# Altium PCB Tango V1.0.PcbDoc (part 3 of 3)
Units mm, origin at the board's own origin, x right, y up, seen from the top; angles counter-clockwise.
Board outline 150.29 x 75.25 mm, 4 copper layers (Top Layer, GND, VCC, Bottom Layer), stack 0.914 mm thick; 182 components, 171 nets, 697 pads, 545 vias.
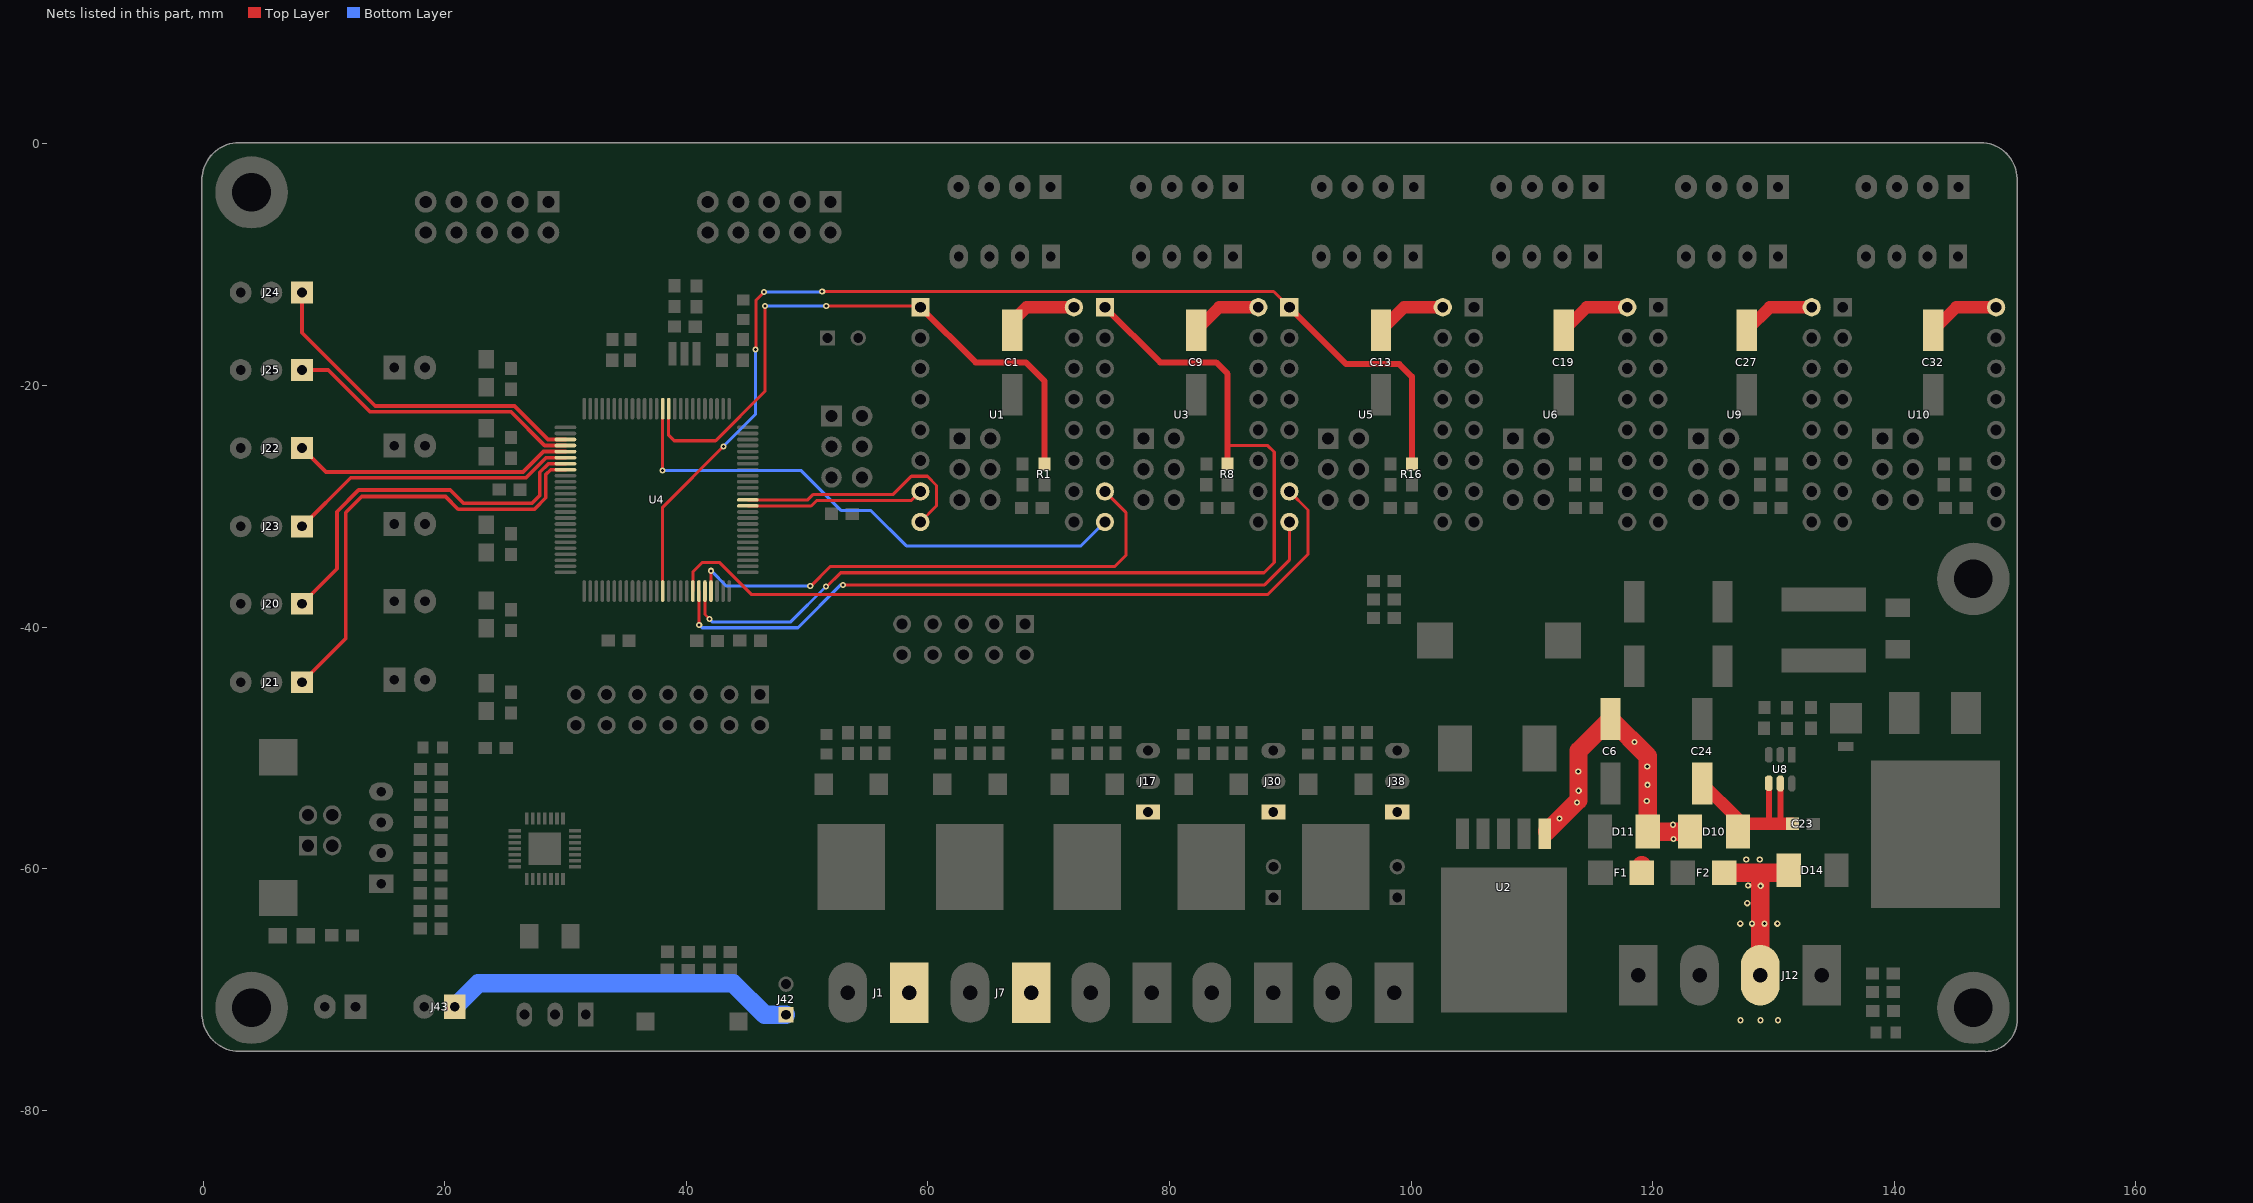
[diagram p5: the nets of this part, all layers, seen from the top]

## Via types
v1: diameter 0.508, hole 0.254, Top Layer to Bottom Layer, 362 vias
v2: diameter 1.016, hole 0.508, Top Layer to Bottom Layer, 180 vias
v3: diameter 0.8, hole 0.4, Top Layer to Bottom Layer, 3 vias

## Nets (pads, with @x,y where several pads share a name; then routed paths per layer and width w, separated by ;. In a path a pad name is that pad's centre, name@x,y a point inside that pad or via, vN(x,y) a via of type N, cw(c..) or ccw(c..) an arc to the next point about the centre after c; other vN are vias at no path point) (continued)
VIN: C23.1 C24.1 D10.2 U8.4 U8.5 | length 16.7
  Top Layer w0.508: U8.4@129.615,-52.914 129.615,-56.253 129.641,-56.279 ; U8.5@130.54,-52.914 U8.5@130.565,-52.939 130.565,-56.27 130.574,-56.279
  Top Layer w1.016: C24.1@124.095,-52.937 127.054,-55.896 D10.2@127.054,-56.922 127.697,-56.279 129.641,-56.279 130.574,-56.279 C23.1@131.57,-56.279
VIN1: C1.1 C6.1 C9.1 C13.1 C19.1 C27.1 C32.1 D10.1 D11.2 F1.1 J1.1 J7.1 J17.1 J30.1 J38.1 J42.1 J43.1 U1.16 U2.1 U3.16 U5.16 U6.16 U9.16 U10.16 | length 91.9
  Top Layer w0.508: C1.1@66.968,-15.423 66.968,-14.699 C1.1@67.491,-14.177
  Top Layer w1.016: C1.1@67.491,-14.177 68.152,-13.515 U1.16@72.074,-13.515 ; C9.1@82.203,-15.423 84.11,-13.515 U3.16@87.346,-13.515 ; C13.1@97.509,-15.423 99.416,-13.515 U5.16@102.617,-13.515 ; C19.1@112.625,-15.423 114.532,-13.515 U6.16@117.889,-13.515 ; C27.1@127.791,-15.423 129.698,-13.515 U9.16@133.16,-13.515 ; C32.1@143.214,-15.423 145.122,-13.515 U10.16@148.432,-13.515
  Top Layer w1.524: U2.1@111.26,-56.909 113.854,-54.314 113.854,-50.249 C6.1@116.5,-47.603 119.587,-50.69 119.587,-51.548 D11.2@119.587,-56.922 ; F1.1@119.103,-60.327 F1.1@119.103,-59.695 ; D11.2@119.603,-56.938 D11.2@119.587,-56.922 ; D10.1@123.092,-56.922 D11.2@119.587,-56.922
  Bottom Layer w1.524: J43.1@20.83,-71.422 22.763,-69.489 43.881,-69.489 46.488,-72.096 J42.1@48.246,-72.096
  other v1: 121.705,-57.533 121.691,-56.358 112.285,-55.854 113.736,-54.521 119.505,-54.39 113.87,-53.543 119.573,-53.052 113.835,-51.954 119.546,-51.548 118.481,-49.515
VIN2: D14.2 F2.1 J12.2 | length 14
  Top Layer w1.524: F2.1@125.927,-60.327 129.028,-60.327 ; J12.2@128.906,-68.82 128.906,-61.415 128.906,-60.449 129.028,-60.327 ; D14.2@131.258,-60.124 131.055,-60.327 129.028,-60.327
  other v1: 127.267,-72.544 128.918,-72.544 130.383,-72.544 127.246,-64.552 128.219,-64.552 129.247,-64.552 130.312,-64.552 127.826,-62.854 127.905,-61.399 128.94,-61.415 127.744,-59.244 128.861,-59.229
X-DIR: U1.8 U4.13 | length 20.3
  Top Layer w0.254: U4.13@45.084,-29.465 50.044,-29.465 50.505,-29.003 57.124,-29.003 58.621,-27.506 59.952,-27.506 60.711,-28.266 60.711,-29.958 U1.8@59.374,-31.295
X-EN: R1.2 U1.1 U4.36 | length 51.8
  Top Layer w0.254: U4.36@38.534,-21.915 38.534,-24.117 38.986,-24.569 42.424,-24.569 46.495,-20.498 v1(46.495,-13.4) ; v1(51.577,-13.404) 59.192,-13.404 59.225,-13.437 59.26,-13.402 U1.1@59.374,-13.515
  Top Layer w0.508: U1.1@59.374,-13.515 63.934,-18.075 68.101,-18.075 69.642,-19.616 R1.2@69.642,-26.485
  Bottom Layer w0.254: v1(46.495,-13.4) 51.574,-13.4 v1(51.577,-13.404)
X-MAX: J25.1 U4.54 | length 24.4
  Top Layer w0.305: J25.1@8.181,-18.709 10.342,-18.709 13.811,-22.178 25.473,-22.178 28.26,-24.965 U4.54@29.984,-24.965
X-MIN: J24.1 U4.53 | length 28.8
  Top Layer w0.305: J24.1@8.181,-12.293 8.181,-15.637 14.239,-21.695 25.775,-21.695 28.545,-24.465 U4.53@29.984,-24.465
X-STEP: U1.7 U4.12 | length 14.8
  Top Layer w0.254: U4.12@45.084,-29.965 50.331,-29.965 50.785,-29.511 58.618,-29.511 U1.7@59.374,-28.755
Y-DIR: U3.8 U4.37 | length 45.1
  Top Layer w0.254: v1(38.034,-27.043) U4.37@38.034,-21.915
  Bottom Layer w0.254: v1(38.034,-27.043) 49.515,-27.043 52.824,-30.352 55.288,-30.352 58.207,-33.271 72.669,-33.271 U3.8@74.646,-31.295
Y-EN: R8.2 U3.1 U4.96 | length 84.5
  Top Layer w0.254: U4.96@41.534,-37.015 41.534,-38.953 v1(41.907,-39.327) ; v1(51.551,-36.641) 51.62,-36.641 52.765,-35.495 87.813,-35.495 88.667,-34.642 88.667,-25.505 88.135,-24.973 84.85,-24.973 84.809,-24.932
  Top Layer w0.508: U3.1@74.646,-13.515 79.212,-18.082 83.855,-18.082 84.809,-19.036 84.809,-24.932 R8.2@84.809,-26.485
  Bottom Layer w0.254: v1(41.907,-39.327) 42.169,-39.588 48.603,-39.588 v1(51.551,-36.641)
Y-MAX: J23.1 U4.56 | length 24.2
  Top Layer w0.305: J23.1@8.181,-31.658 12.201,-27.637 26.724,-27.637 28.397,-25.965 U4.56@29.984,-25.965
Y-MIN: J22.1 U4.55 | length 23.3
  Top Layer w0.305: J22.1@8.181,-25.175 10.156,-27.15 26.474,-27.15 28.159,-25.465 U4.55@29.984,-25.465
Y-STEP: U3.7 U4.97 | length 43.6
  Top Layer w0.254: U4.97@42.034,-37.015 42.034,-35.349 v1(42.048,-35.335) ; v1(50.254,-36.608) 50.288,-36.608 51.929,-34.967 75.477,-34.967 76.382,-34.063 76.382,-30.491 U3.7@74.646,-28.755
  Bottom Layer w0.254: v1(42.048,-35.335) 43.32,-36.608 v1(50.254,-36.608)
Z-DIR: U4.95 U5.8 | length 57.2
  Top Layer w0.254: U4.95@41.034,-37.015 41.034,-39.799 v1(41.058,-39.822) ; v1(52.963,-36.501) 87.875,-36.501 89.917,-34.459 U5.8@89.917,-31.295
  Bottom Layer w0.254: v1(41.058,-39.822) 41.284,-40.049 49.236,-40.049 52.784,-36.501 v1(52.963,-36.501)
Z-EN: R16.2 U4.89 U5.1 | length 92
  Top Layer w0.254: U4.89@38.034,-37.015 38.034,-30.068 v1(43.062,-25.04) ; v1(45.734,-17.004) 45.774,-16.964 45.774,-12.91 v1(46.436,-12.248) ; v1(51.241,-12.218) 88.62,-12.218 U5.1@89.917,-13.515
  Top Layer w0.508: U5.1@89.917,-13.515 94.624,-18.222 99.032,-18.222 100.069,-19.26 R16.2@100.069,-26.485
  Bottom Layer w0.254: v1(43.062,-25.04) 45.724,-22.379 45.724,-17.004 v1(45.734,-17.004) ; v1(46.436,-12.248) 51.212,-12.248 v1(51.241,-12.218)
Z-MAX: J21.1 U4.58 | length 37.2
  Top Layer w0.305: J21.1@8.181,-44.554 11.788,-40.947 11.788,-30.519 13.117,-29.19 20.053,-29.19 21.099,-30.236 27.419,-30.236 28.359,-29.296 28.359,-27.368 28.762,-26.965 U4.58@29.984,-26.965
Z-MIN: J20.1 U4.57 | length 31.4
  Top Layer w0.305: J20.1@8.181,-38.063 11.071,-35.172 11.071,-30.442 12.862,-28.651 20.453,-28.651 21.552,-29.75 27.222,-29.75 27.868,-29.104 27.868,-27.176 28.579,-26.465 U4.57@29.984,-26.465
Z-STEP: U4.94 U5.7 | length 61.2
  Top Layer w0.254: U4.94@40.534,-37.015 40.534,-35.427 41.328,-34.634 42.723,-34.634 45.369,-37.28 88.153,-37.28 91.464,-33.968 91.464,-30.303 U5.7@89.917,-28.755
pads on no net: J27.8 J39.0 U4.8 U4.9 U4.14 U4.23 U4.27 U4.28 U4.29 U4.47 U4.48 U4.49 U4.65 U4.66 U4.67 U4.68 U4.69 U4.79 U7.0@24.941,-56.817 U7.1 U7.2 U7.9 U7.10 U7.11 U7.12 U7.13 U7.14 U7.15 U7.16 U7.17 U7.18 U7.19 U7.20 U7.21 U7.22 U7.23 U7.24 U7.27

## Polygon pours and split planes (outlines as drawn)
GND on Top Layer " TOP  Layer-GND" (hatched 45Degree grid 0.203 track 0.203, remove dead copper, pour order 2): -0.716,0.232 -0.177,-0.306 151.005,-0.306 151.678,-0.979 151.678,-75.157 151.544,-75.023 -0.178,-75.023
GND on Bottom Layer "BOTTOM Layer-GND" (hatched 45Degree grid 0.33 track 0.203, remove dead copper, pour order 4): 0.107,-0.001 0.309,0.201 150.104,0.201 150.913,-0.608 150.913,-74.848 150.462,-75.299 -0.537,-75.299
GND on GND (split plane): 148.987,-73.557 148.987,-73.55 148.993,-73.55
GND on GND (split plane): 147.653,-0.673 148.494,-0.951 148.969,-1.426 149.299,-2.018 149.38,-2.489 149.359,-32.674 142.689,-32.674 142.689,-39.572 149.354,-39.572 149.334,-67.999 148.26,-67.999 148.26,-67.997 142.83,-67.997 142.83,-74.338 7.213,-74.352 7.213,-72.315 7.213,-67.738 0.672,-67.738 0.672,-7.286 2.027,-7.286 2.027,-7.289 7.416,-7.289 7.416,-0.618
NetJ38_2 on VCC (split plane): 102.398,-51.491 102.394,-71.657 102.394,-71.658 102.394,-72.907 95.838,-72.907 95.838,-65.385 97.101,-65.385 97.151,-65.376 97.193,-65.347 97.207,-65.326 97.228,-65.312 97.256,-65.27 97.266,-65.221 97.266,-61.318 97.267,-61.311 97.267,-61.152 101.012,-61.152 101.062,-61.143 101.104,-61.115 101.132,-61.073 101.141,-61.023 101.141,-53.904 101.132,-53.854 101.104,-53.812 101.062,-53.784 101.012,-53.774 97.187,-53.774 97.187,-51.38 102.398,-51.38
NetJ40_2 on VCC (split plane): 97.008,-61.305 97.007,-61.312 97.007,-65.126 95.755,-65.126 95.705,-65.136 95.663,-65.164 95.617,-65.211 95.589,-65.253 95.579,-65.302 95.579,-72.91 90.679,-72.91 90.679,-65.165 90.679,-55.657 97.008,-55.657
NetJ31_2 on VCC (split plane): 85.563,-72.877 80.793,-72.877 80.793,-67.474 80.783,-67.426 80.783,-67.049 80.264,-67.049 80.264,-62.941 80.264,-55.927 85.563,-55.927
NetJ30_2 on VCC (split plane): 90.42,-65.165 90.42,-72.91 85.822,-72.91 85.822,-60.994 90.42,-60.994
NetJ12_1 on VCC (split plane): 149.374,-67.804 142.954,-67.804 142.954,-73.424 142.954,-74.357 131.535,-74.357 131.535,-58.397 131.538,-58.392 131.548,-58.342 131.548,-57.477 131.538,-57.428 131.535,-57.423 131.535,-56.259 131.56,-56.234 135.538,-52.498 135.538,-52.497 135.539,-52.497 138.272,-49.871 149.389,-49.871
VIN2 on VCC (split plane): 131.276,-74.357 126.494,-74.356 126.494,-57.581 131.276,-57.581
NetF1_2 on VCC (split plane): 126.235,-74.356 120.773,-74.356 120.773,-72.194 120.843,-72.194 120.843,-65.827 120.65,-65.827 120.644,-65.826 113.133,-65.826 113.133,-58.503 126.235,-58.503
5V-DCDC on VCC (split plane): 128.101,-35.02 128.111,-35.069 128.139,-35.111 130.16,-37.132 130.16,-41.637 129.165,-42.632 125.853,-42.632 120.381,-37.159 120.339,-37.131 120.289,-37.121 57.857,-37.121 57.807,-37.131 57.765,-37.159 56.473,-38.451 56.445,-38.493 56.435,-38.543 56.435,-41.856 56.435,-45.86 55.077,-45.86 55.027,-45.87 54.985,-45.898 48.876,-52.008 36.972,-52.008 36.972,-49.294 44.807,-49.294 45.53,-50.017 45.572,-50.045 45.622,-50.055 48.699,-50.055 48.749,-50.045 48.791,-50.017 48.819,-49.975 48.829,-49.925 48.829,-35.306 56.4,-27.734 56.428,-27.692 56.438,-27.643 56.438,-23.06 128.101,-23.06
NetJ18_2 on VCC (split plane): 75.714,-56.001 75.714,-69.084 75.714,-72.722 75.562,-72.874 71.382,-72.874 71.382,-65.532 71.372,-65.483 71.344,-65.441 71.296,-65.393 71.254,-65.365 71.205,-65.355 69.887,-65.355 69.887,-55.88 75.593,-55.88
NetJ1_2 on VCC (split plane): 57.259,-65.341 55.797,-65.341 55.796,-65.34 55.747,-65.35 55.705,-65.378 55.677,-65.42 55.667,-65.47 55.667,-73.004 50.038,-73.004 50.038,-57.103 51.726,-55.415 57.259,-55.415
+5V on VCC (split plane): 148.402,-0.892 148.9,-1.286 149.297,-1.87 149.428,-2.341 149.424,-7.733 101.361,-7.743 101.361,-7.736 91.38,-7.736 91.38,-7.746 68.981,-7.751 68.957,-7.756 68.947,-7.757 61.085,-7.757 61.085,-10.524 68.83,-10.524 68.729,-22.801 56.308,-22.801 56.259,-22.811 56.217,-22.839 56.189,-22.881 56.179,-22.93 56.179,-27.589 48.651,-35.117 48.65,-35.117 48.608,-35.145 48.58,-35.187 48.57,-35.237 48.57,-49.796 45.675,-49.796 44.953,-49.073 44.911,-49.045 44.861,-49.035 36.842,-49.035 36.793,-49.045 36.751,-49.073 36.723,-49.115 36.713,-49.164 36.713,-52.137 36.723,-52.187 36.751,-52.229 36.793,-52.257 36.842,-52.267 48.929,-52.267 48.979,-52.257 49.021,-52.229 55.13,-46.119 56.502,-46.119 56.551,-46.109 56.593,-46.081 56.656,-46.018 56.684,-45.976 56.694,-45.927 56.694,-41.856 56.694,-38.597 57.911,-37.38 73.535,-37.38 73.535,-42.905 65.731,-50.709 58.991,-50.709 58.942,-50.718 58.9,-50.747 55.716,-53.931 55.687,-53.973 55.678,-54.022 55.678,-55.156 51.672,-55.156 51.623,-55.166 51.581,-55.194 49.817,-56.958 49.789,-57 49.779,-57.049 49.779,-65.438 46.019,-65.438 45.97,-65.448 45.928,-65.476 45.042,-66.362 45.014,-66.404 45.004,-66.453 45.004,-74.353 7.262,-74.352 7.262,-72.35 7.262,-67.752 0.658,-67.752 0.658,-7.257 7.373,-7.257 7.373,-0.705 147.676,-0.675
VIN1 on VCC (split plane): 149.403,-32.547 143.044,-32.547 143.044,-39.906 149.397,-39.906 149.389,-49.612 138.22,-49.612 138.196,-49.617 138.173,-49.621 138.172,-49.622 138.17,-49.622 138.15,-49.636 138.13,-49.648 135.36,-52.309 131.381,-56.047 131.38,-56.049 131.378,-56.05 131.314,-56.114 131.286,-56.156 131.276,-56.205 131.276,-57.322 126.364,-57.322 126.315,-57.332 126.273,-57.36 126.245,-57.402 126.235,-57.451 126.235,-58.244 113.069,-58.244 113.02,-58.254 112.978,-58.282 112.943,-58.317 112.912,-58.348 112.884,-58.39 112.874,-58.439 112.874,-65.971 112.884,-66.02 112.912,-66.062 112.954,-66.09 113.004,-66.1 113.053,-66.09 113.062,-66.085 116.513,-66.085 116.513,-72.194 120.514,-72.194 120.514,-74.356 45.263,-74.353 45.263,-66.507 46.073,-65.697 49.779,-65.697 49.779,-73.133 49.789,-73.183 49.817,-73.225 49.859,-73.253 49.909,-73.263 55.796,-73.263 55.846,-73.253 55.888,-73.225 55.916,-73.183 55.926,-73.133 55.926,-65.6 57.347,-65.6 57.397,-65.59 57.439,-65.562 57.48,-65.52 57.508,-65.478 57.518,-65.429 57.518,-55.286 57.518,-55.285 57.508,-55.236 57.48,-55.194 57.438,-55.166 57.388,-55.156 55.937,-55.156 55.937,-54.076 59.045,-50.968 65.784,-50.968 65.834,-50.958 65.876,-50.93 73.756,-43.05 73.784,-43.008 73.794,-42.959 73.794,-37.389 73.799,-37.38 120.235,-37.38 125.686,-42.831 125.701,-42.853 125.743,-42.881 125.792,-42.891 129.219,-42.891 129.268,-42.881 129.311,-42.853 130.381,-41.783 130.409,-41.741 130.419,-41.691 130.419,-37.078 130.409,-37.029 130.381,-36.987 128.36,-34.966 128.36,-22.94 128.351,-22.89 128.322,-22.848 128.313,-22.839 128.271,-22.811 128.221,-22.801 68.988,-22.801 69.089,-10.524 71.362,-10.524 71.362,-8.009 76.446,-8.008 76.446,-10.524 86.441,-10.524 86.441,-8.006 91.38,-8.005 91.38,-10.587 101.361,-10.587 101.361,-8.002 106.27,-8.001 106.27,-10.502 116.242,-10.502 116.242,-7.999 121.549,-7.998 121.549,-10.604 131.516,-10.604 131.516,-7.996 136.505,-7.995 136.505,-10.566 146.649,-10.566 146.649,-7.992 149.423,-7.992
NetJ7_2 on VCC (split plane): 66.727,-65.312 65.581,-65.312 65.531,-65.322 65.489,-65.35 65.471,-65.369 65.443,-65.411 65.433,-65.46 65.433,-67.89 65.423,-67.938 65.423,-73.025 61.494,-73.025 61.48,-73.011 61.48,-65.544 61.471,-65.495 61.442,-65.453 61.353,-65.363 61.311,-65.335 61.261,-65.325 60.415,-65.325 60.415,-63.156 60.406,-63.107 60.382,-63.071 60.382,-55.942 60.429,-55.895 66.727,-55.895

## Keep-outs
Keep-Out Layer:
  lines w0.254: 0.021,-72.232 0.021,-2.731 ; 0.022,-2.987 cw(c2.984,-2.972) 2.969,-0.01 ; 0.034,-72.043 ccw(c2.996,-72.028) 3.011,-74.99 ; 2.73,-0.022 147.148,-0.022 ; 2.787,-74.999 147.713,-74.999 ; 147.133,-0.022 cw(c147.148,-2.912) 150.038,-2.897 ; 147.543,-75.006 ccw(c147.529,-72.481) 150.055,-72.468 150.05,-2.912

## Other copper
Top Layer:
  rectangle net NetJ40_2: 99.367,-59.932 99.97,-57.751
  rectangle net NetJ40_2: 97.606,-60.76 99.479,-57.744
  rectangle net NetJ31_2: 87.668,-60.625 89.783,-57.801
  rectangle net NetF1_2: 113.419,-65.58 114.1,-59.007
  rectangle net NetF1_2: 123.154,-63.084 124.52,-58.755
  rectangle net VIN1: 119.149,-58.325 124.532,-55.471
  rectangle net VIN1: 118.473,-56.217 119.65,-50.261
  rectangle net NetJ12_1: 131.507,-73.527 135.725,-72.317
  rectangle net GND: 110.923,-73.55 120.732,-65.918
  rectangle net NetF1_2: 120.577,-59.332 123.971,-58.753
  rectangle net VIN2: 124.858,-62.499 127.936,-60.918
  rectangle net VIN2: 126.56,-73.532 131.186,-60.968
  rectangle net VIN2: 124.858,-61.663 132.913,-58.756
  rectangle net NetF1_2: 120.574,-63.116 123.067,-59.005
  rectangle net VIN1: 117.452,-61.526 120.177,-55.381
  rectangle net NetF1_2: 114.099,-65.576 122.247,-61.985
  rectangle net NetF1_2: 114.1,-64.845 116.953,-59.007
  rectangle net NetF1_2: 121.077,-73.543 126.245,-62.735
  rectangle net NetF1_2: 121.138,-64.211 123.974,-59.118
  rectangle net VIN1: 66.185,-73.318 70.671,-66.732
  rectangle net VIN1: 56.195,-73.299 60.546,-66.718
  rectangle net NetJ30_2: 86.362,-73.311 90.626,-66.861
  rectangle net NetJ30_2: 87.09,-73.054 89.728,-61.323
  rectangle net NetJ18_2: 68.34,-66.187 75.966,-55.395
  rectangle net +12V: 76.926,-51.107 79.43,-49.327
  rectangle net NetJ17_2: 77.047,-53.591 79.596,-52.052
  rectangle net VIN1: 77.059,-56.196 79.485,-54.488
  rectangle net VIN1: 87.241,-56.774 89.865,-54.43
  rectangle net NetJ30_2: 87.217,-53.532 89.865,-52.025
  rectangle net +12V: 87.2,-51.062 89.776,-49.28
  rectangle net VIN1: 97.56,-56.762 100.159,-54.379
  rectangle net +12V: 97.546,-51.068 100.494,-49.331
  rectangle net NetJ38_2: 97.528,-53.753 100.514,-51.942
  rectangle net NetJ38_2: 96.426,-73.288 99.877,-67.108
  rectangle net NetJ38_2: 97.433,-73.299 100.889,-61.358
  rectangle net NetJ17_2: 76.853,-67.202 79.352,-57.255
  rectangle net NetJ17_2: 76.331,-73.311 80.628,-66.563
  rectangle net NetJ40_2: 90.343,-66.42 96.94,-55.275
  rectangle net NetJ31_2: 80.119,-66.073 86.628,-55.362
  rectangle net NetJ7_2: 59.236,-66.281 67.655,-55.414
  rectangle net NetJ1_2: 49.835,-66.213 58.285,-55.439
  rectangle net NetJ40_2: 91.109,-73.299 95.845,-63.128
  rectangle net NetJ31_2: 81.178,-73.311 85.796,-62.948
  rectangle net NetJ18_2: 71.23,-73.315 75.596,-62.928
  rectangle net NetJ7_2: 61.282,-73.296 65.675,-62.896
  rectangle net NetJ1_2: 50.86,-73.279 55.556,-63.312
  rectangle net NetQ3_G: 146.05,-48.846 149.025,-45.352
  rectangle net NetJ12_1: 131.51,-67.641 149.3,-62.24
  rectangle net NetJ12_1: 131.507,-72.317 136.82,-62.748
  rectangle net NetJ12_1: 137.415,-67.03 149.314,-50.879
  rectangle net GND: 102.458,-74.423 112.886,-71.881
  rectangle net GND: 138.143,-49.056 143.519,-44.272
  rectangle net GND: 92.601,-53.761 95.001,-51.514
  rectangle net GND: 92.128,-54.967 93.947,-52.122
  rectangle net GND: 82.44,-53.691 84.571,-51.342
  rectangle net GND: 81.881,-55.056 83.51,-52.118
  rectangle net GND: 67.717,-55.079 74.352,-51.427
  rectangle net GND: 57.06,-55.12 64.615,-51.38
  rectangle net GND: 48.353,-55.152 54.875,-51.389
  rectangle net GND: 10.118,-73.504 10.828,-69.364
  rectangle net GND: 18.336,-73.646 19.046,-69.506
Bottom Layer:
  rectangle net GND: 102.352,-61.847 102.89,-61.319
  rectangle net GND: 102.072,-62.486 102.92,-61.692
  rectangle net GND: 101.605,-62.586 102.739,-62.159
  rectangle net GND: 101.269,-74.441 103.158,-62.495
  rectangle net GND: 111.231,-59.8 113.054,-56.537
  rectangle net GND: 102.626,-60.044 111.65,-50.656
  rectangle net GND: 137.341,-48.722 145.391,-43.919
  rectangle net GND: 114.219,-74.465 120.804,-65.783
  rectangle net GND: 102.56,-74.465 112.978,-59.691
  rectangle net GND: 26.111,-60.621 30.778,-55.9
  rectangle net VIN2: 126.67,-73.516 130.894,-58.508
  rectangle net NetF1_2: 121.067,-73.536 126.246,-65.153
  rectangle net NetF1_2: 123.684,-65.474 126.252,-62.726
  rectangle net NetF1_2: 114.233,-65.468 126.276,-58.513
  rectangle net NetJ40_2: 95.305,-60.772 99.792,-57.76
  rectangle net NetJ31_2: 87.663,-60.524 89.789,-57.773
  rectangle net NetJ18_2: 74.283,-65.415 75.6,-61.346
  rectangle net VIN1: 66.225,-73.322 70.683,-66.742
  rectangle net VIN1: 56.231,-73.298 60.558,-66.754
  rectangle net NetJ31_2: 84.829,-66.16 86.597,-62.463
  rectangle net NetJ31_2: 80.103,-66.124 85.127,-55.347
  rectangle net NetJ18_2: 68.425,-66.219 74.628,-55.39
  rectangle net VIN1: 77.037,-56.2 79.485,-54.471
  rectangle net +12V: 76.909,-51.126 79.452,-49.312
  rectangle net +12V: 87.233,-51.037 89.743,-49.296
  rectangle net VIN1: 87.239,-56.208 89.876,-54.417
  rectangle net VIN1: 97.547,-56.341 100.172,-54.355
  rectangle net +12V: 97.553,-51.059 100.468,-49.329
  rectangle net NetJ38_2: 97.52,-53.624 100.444,-52.001
  rectangle net NetJ38_2: 96.391,-73.276 100.908,-67.054
  rectangle net NetJ38_2: 97.411,-73.241 100.862,-61.37
  rectangle net NetJ17_2: 77.024,-53.625 79.638,-52.015
  rectangle net NetJ30_2: 87.21,-53.521 89.86,-52.008
  rectangle net NetJ30_2: 86.385,-73.278 90.606,-66.812
  rectangle net NetJ30_2: 87.089,-73.269 89.755,-61.351
  rectangle net NetJ17_2: 76.394,-67.685 79.57,-56.705
  rectangle net NetJ17_2: 76.373,-73.308 80.596,-66.563
  rectangle net NetJ1_2: 50.877,-73.271 55.602,-64.356
  rectangle net NetJ1_2: 49.821,-66.227 58.285,-55.439
  rectangle net NetJ7_2: 61.212,-73.3 65.746,-64.778
  rectangle net NetJ7_2: 59.24,-66.127 67.539,-55.411
  rectangle net NetJ18_2: 71.175,-73.318 75.622,-64.928
  rectangle net NetJ40_2: 91.183,-73.267 95.827,-65.469
  rectangle net NetJ31_2: 81.154,-73.288 85.774,-64.85
  rectangle net NetJ40_2: 90.556,-66.402 96.881,-55.316
  rectangle net NetJ12_1: 132.024,-73.173 137.729,-67.61
  rectangle net NetJ12_1: 132.027,-67.62 139.973,-60.195
  rectangle net NetJ12_1: 137.426,-67.633 149.336,-50.868
  rectangle net NetQ3_G: 147.777,-47.88 148.911,-46.326
  rectangle net GND: 90.154,-55.044 97.046,-51.582
  rectangle net GND: 79.949,-55.069 85.037,-51.577
  rectangle net GND: 50.886,-55.087 74.487,-51.633
  rectangle net GND: 48.829,-55.137 51.254,-53.867
  rectangle net GND: 10.307,-73.756 10.896,-69.165
  rectangle net GND: 18.596,-73.71 19.185,-69.118
GND (plane layer: these items are gaps in the copper):
  rectangle: 0.762,-73.418 1.399,-72.541
  rectangle: 1.216,-73.943 2.148,-72.594
  rectangle: 1.827,-74.425 2.988,-72.359
  rectangle: 1.795,-72.717 1.853,-72.573
  rectangle: 1.548,-72.807 3.327,-72.423
  rectangle: 0.601,-72.807 3.327,-71.823
  rectangle: 2.759,-74.573 7.213,-72.315
  rectangle: 0.463,-72.315 7.213,-67.738
  rectangle: 1.702,-1.385 2.502,-0.762
  rectangle: 1.304,-1.514 2.305,-1.015
  rectangle: 0.982,-2.684 2.406,-1.357
  rectangle: 0.766,-2.684 2.406,-1.719
  rectangle: 0.576,-7.286 2.943,-2.469
  rectangle: 2.027,-7.289 7.416,-0.43
  rectangle: 142.689,-39.572 149.71,-32.674
  rectangle: 147.564,-74.186 148.987,-73.334
  rectangle: 148.115,-73.55 149.427,-67.999
  rectangle: 142.83,-74.442 148.26,-67.997
  rectangle: 3.909,-52.85 8.55,-48.704
  rectangle: 3.865,-64.745 8.614,-60.4
  rectangle: 13.306,-62.382 16.175,-55.043
  rectangle: 60.931,-5.175 71.632,-2.13
  rectangle: 60.904,-10.874 71.687,-7.869
  rectangle: 75.937,-5.158 87.153,-2.174
  rectangle: 75.971,-10.852 87.222,-7.936
  rectangle: 90.892,-5.124 101.936,-2.243
  rectangle: 90.874,-10.89 101.954,-7.978
  rectangle: 105.923,-5.092 116.823,-2.18
  rectangle: 105.82,-10.942 116.772,-7.978
  rectangle: 121.207,-5.143 132.177,-2.082
  rectangle: 121.008,-10.898 132.29,-7.865
  rectangle: 136.003,-5.115 147.229,-2.082
  rectangle: 135.975,-10.869 147.257,-7.808
  rectangle: 1.885,-13.635 4.242,-10.952
  rectangle: 7.033,-13.644 9.399,-10.943
  rectangle: 1.903,-20.084 4.188,-17.329
  rectangle: 6.925,-20.084 9.372,-17.311
  rectangle: 1.957,-26.65 4.206,-23.76
  rectangle: 6.961,-26.65 9.426,-23.769
  rectangle: 1.858,-33.062 4.206,-30.308
  rectangle: 6.952,-33.072 9.399,-30.317
  rectangle: 1.76,-39.558 4.22,-36.411
  rectangle: 6.918,-39.545 9.497,-36.438
  rectangle: 1.787,-46.064 4.286,-42.97
  rectangle: 6.944,-46.091 9.443,-42.944
  rectangle: 17.225,-46.015 19.564,-16.857
  rectangle: 51.053,-73.433 101.021,-67.202
  rectangle: 121.696,-72.143 136.282,-65.121
  rectangle: 11.311,-73.24 13.988,-69.884
  rectangle: 19.474,-73.229 22.348,-69.71
  lines w0.508: 0.415,-3.539 0.423,-3.531 ; 0.416,-2.843 0.416,-71.469 ccw(c3.27,-71.765) 2.975,-74.619 ; 0.435,-2.936 cw(c3.284,-3.231) 3.338,-0.367 ; 2.854,-74.609 147.693,-74.594 148.26,-74.442 149.02,-73.956 149.505,-73.267 149.586,-72.609 149.636,-2.467 149.544,-1.932 149.176,-1.271 148.632,-0.726 147.695,-0.417 3.285,-0.36
VCC (plane layer: these items are gaps in the copper):
  rectangle: 76.833,-53.825 79.62,-48.793
  rectangle: 87.012,-53.76 90.209,-48.891
  rectangle: 97.354,-51.22 100.338,-48.884
  rectangle: 76.417,-73.146 80.783,-67.049
  rectangle: 25.188,-73.737 27.72,-70.318
  rectangle: 61.085,-10.524 71.362,-7.757
  rectangle: 76.446,-10.524 86.441,-7.8
  rectangle: 91.38,-10.587 101.361,-7.736
  rectangle: 106.27,-10.502 116.242,-7.871
  rectangle: 121.549,-10.604 131.516,-7.82
  rectangle: 136.505,-10.566 146.649,-7.771
  rectangle: 135.905,-5.292 147.162,-1.978
  rectangle: 121.132,-5.243 132.136,-1.968
  rectangle: 105.669,-5.155 116.811,-1.942
  rectangle: 90.991,-5.141 101.955,-1.942
  rectangle: 76.146,-5.11 87.039,-1.948
  rectangle: 61.031,-5.052 71.706,-1.937
  rectangle: 30.381,-73.724 33.158,-70.376
  rectangle: 19.544,-73.059 22.344,-69.697
  rectangle: 11.239,-73.006 14.251,-69.75
  rectangle: 13.207,-62.528 16.1,-52.441
  rectangle: 14.398,-45.758 17.14,-42.795
  rectangle: 14.433,-39.353 17.093,-36.506
  rectangle: 14.433,-32.866 17.151,-29.984
  rectangle: 14.456,-26.309 17.128,-23.497
  rectangle: 14.477,-19.873 17.134,-17.296
  rectangle: 6.92,-46.084 9.65,-43.016
  rectangle: 6.861,-39.423 9.58,-36.517
  rectangle: 6.931,-33.029 9.533,-30.205
  rectangle: 6.92,-26.694 9.486,-23.59
  rectangle: 6.92,-20.113 9.44,-17.15
  rectangle: 6.955,-13.86 9.556,-10.593
  rectangle: 2.392,-74.354 2.881,-74.051
  rectangle: 2.392,-74.21 3.068,-74.051
  rectangle: 1.752,-74.21 3.068,-73.773
  rectangle: 1.4,-73.946 2.987,-73.453
  rectangle: 0.971,-73.578 3.029,-72.914
  rectangle: 1.046,-73.221 3.021,-73.055
  rectangle: 0.83,-73.221 3.021,-72.391
  rectangle: 0.639,-72.757 3.245,-72.001
  rectangle: 2.681,-74.64 7.262,-72.35
  rectangle: 0.407,-72.35 7.262,-67.752
  rectangle: 1.718,-1.168 2.216,-0.803
  rectangle: 1.298,-1.448 2.293,-0.969
  rectangle: 0.979,-1.793 2.109,-1.339
  rectangle: 0.678,-2.392 2.186,-1.688
  rectangle: 0.521,-7.257 2.499,-2.299
  rectangle: 1.966,-7.257 7.373,-0.538
  rectangle: 148.679,-73.547 149.185,-72.924
  rectangle: 148.073,-74.14 149.07,-72.869
  rectangle: 142.954,-74.411 148.427,-73.424
  rectangle: 142.954,-73.424 149.477,-67.804
  rectangle: 143.044,-39.906 149.692,-32.547
  rectangle: 116.513,-72.194 120.843,-65.827
  rectangle: 4.047,-52.632 8.348,-48.851
  rectangle: 4.047,-64.375 8.454,-60.441
  lines w0.254: 33.847,-74.545 34.359,-74.546 ; 45.134,-74.564 45.134,-66.453 46.019,-65.568 49.908,-65.568 ; 48.699,-35.237 48.699,-49.925 45.622,-49.925 44.861,-49.164 41.896,-49.164 36.842,-49.164 36.842,-52.137 46.936,-52.137 48.929,-52.137 55.077,-45.99 56.502,-45.99 56.565,-45.927 56.565,-41.856 56.565,-38.543 57.857,-37.251 120.289,-37.251 125.792,-42.754 ; 48.714,-35.237 56.308,-27.643 56.308,-22.93 69.475,-22.93 75.764,-22.93 128.221,-22.93 128.231,-22.94 128.231,-35.02 130.289,-37.078 130.289,-41.691 129.219,-42.761 125.792,-42.761 ; 55.807,-55.259 55.807,-54.022 58.991,-50.838 65.784,-50.838 73.664,-42.959 73.664,-37.343 73.687,-37.32 ; 64.312,-74.612 64.312,-74.596 ; 68.858,-22.901 68.981,-7.88 149.58,-7.862 149.581,-11.157 ; 69.758,-55.792 69.758,-65.423 69.82,-65.485 71.205,-65.485 71.252,-65.532 71.252,-73.019 71.268,-73.003 75.616,-73.003 75.843,-72.776 75.843,-69.084 75.843,-55.987 ; 69.758,-55.751 75.647,-55.751 75.849,-55.954 75.849,-56.192 ; 85.694,-60.884 85.714,-60.865 90.536,-60.865 ; 97.101,-65.256 95.755,-65.256 95.708,-65.302 95.708,-73.005 ; 97.136,-65.221 97.136,-61.312 97.138,-61.311 97.138,-55.527 90.55,-55.527 90.55,-65.165 90.55,-72.97 90.619,-73.039 ; 97.139,-61.001 97.161,-61.023 101.012,-61.023 101.012,-53.904 97.058,-53.904 97.058,-51.251 102.528,-51.251 102.528,-51.491 102.524,-73.037 ; 102.524,-71.658 102.524,-73.037 ; 120.644,-74.558 120.644,-66.064 120.644,-65.955 113.019,-65.955 113.004,-65.971 113.004,-58.439 113.035,-58.408 113.069,-58.374 126.336,-58.374 ; 126.348,-74.623 126.364,-74.607 126.364,-57.451 131.393,-57.451 131.419,-57.477 131.419,-58.342 ; 131.406,-74.566 131.406,-56.205 131.47,-56.141 135.449,-52.403 138.22,-49.742 149.563,-49.742 149.563,-52.921 ; 55.796,-65.47 55.796,-65.47 ; 55.796,-65.47 55.796,-73.133 49.909,-73.133 49.909,-57.049 51.672,-55.285 54.49,-55.285 57.388,-55.285 57.388,-65.429 57.347,-65.47 55.796,-65.47 ; 85.693,-72.969 85.763,-73.039 90.619,-73.039 ; 85.693,-72.969 85.693,-55.842 85.648,-55.798 80.134,-55.798 80.134,-55.798 80.134,-62.941 80.134,-67.474 80.663,-67.474 80.663,-73.006 85.655,-73.006 85.693,-72.969 ; 90.619,-73.039 95.743,-73.039 95.708,-73.005 ; 95.708,-73.005 95.74,-73.037 102.524,-73.037 ; 60.252,-63.123 60.286,-63.156 60.286,-65.467 60.299,-65.455 61.261,-65.455 61.351,-65.544 61.351,-73.065 61.441,-73.155 65.514,-73.155 65.553,-73.116 65.553,-67.938 65.562,-67.929 65.562,-65.46 65.581,-65.442 66.857,-65.442 66.857,-55.765 60.376,-55.765 60.252,-55.889 60.252,-63.123
  lines w0.508: 0.402,-71.579 0.401,-71.578 ; 0.402,-3.469 cw(c3.05,-3.099) 2.68,-0.45 147.713,-0.418 148.522,-0.66 149.09,-1.11 149.532,-1.76 149.684,-2.307 149.627,-71.621 149.648,-72.837 149.29,-73.632 148.926,-74.073 148.427,-74.411 147.757,-74.614 3.257,-74.608 cw(c3.344,-71.665) 0.401,-71.578 ; 0.401,-2.805 0.401,-71.578
Multi-Layer:
  lines w0.254: -83.534,-118.578 -83.407,52.872 248.571,53.126 248.698,-119.467 -83.534,-118.578

## Silkscreen, mask and mechanical layers (free items; w line width, h text height)
Top Overlay:
  drawing of 3691 lines, arcs and shapes, not listed
  text "BIGTREETECH Tango v1.0" at 19.427,12.612 h6
  text "150.027 (mm)" at 47.384,1.998 h5 r0.01
  text "+" at 2.723,-8.83 h1
  text "S" at 7.813,-8.832 h1
  text "-" at 5.25,-8.962 h1
  text "1B" at 61.637,-11.946 h1
  text "1A" at 64.203,-11.946 h1
  text "2A" at 66.666,-11.946 h1
  text "2B" at 69.333,-11.946 h1
  text "1B" at 106.61,-11.971 h1
  text "1A" at 109.176,-11.971 h1
  text "2A" at 111.639,-11.971 h1
  text "2B" at 114.306,-11.971 h1
  text "1B" at 76.705,-11.998 h1
  text "1A" at 79.27,-11.998 h1
  text "2A" at 81.734,-11.998 h1
  text "2B" at 84.401,-11.998 h1
  text "1B" at 121.911,-11.997 h1
  text "1A" at 124.476,-11.997 h1
  text "2A" at 126.94,-11.997 h1
  text "2B" at 129.607,-11.997 h1
  text "1B" at 91.546,-12.019 h1
  text "1A" at 94.112,-12.019 h1
  text "2A" at 96.576,-12.019 h1
  text "2B" at 99.243,-12.019 h1
  text "1B" at 136.785,-12.05 h1
  text "1A" at 139.351,-12.05 h1
  text "2A" at 141.815,-12.05 h1
  text "2B" at 144.482,-12.05 h1
  text "+" at 18.067,-15.54 h1
  text "-" at 15.313,-15.58 h1
  text "MISO" at 47.4,-23.425 h1
  text "5V" at 56.153,-23.425 h1
  text "SCK" at 47.4,-26.116 h1
  text "MOSI" at 56.003,-26.116 h1
  text "RESET" at 47.4,-28.79 h1
  text "GND" at 56.153,-28.79 h1
  text "X" at 64.123,-35.008 h2
  text "Y" at 80.77,-35.008 h2
  text "Z" at 95.441,-35.008 h2
  text "E0" at 111.12,-35.008 h2
  text "E1" at 126.792,-35.008 h2
  text "E2" at 140.327,-35.008 h2
  text "9" at 74.059,-35.05 h1
  text "1" at 90.565,-35.046 h1
  text "TDI" at 72.601,-37.524 h2
  text "5V" at 76.824,-37.524 h2
  text "TMS" at 80.866,-37.524 h2
  text "TDO" at 85.513,-37.524 h2
  text "TCK" at 89.815,-37.524 h2
  text "9" at 52.464,-39.655 h1
  text "GND" at 89.815,-40.027 h2
  text "GND" at 72.601,-40.05 h2
  text "5V" at 85.513,-40.063 h2
  text "NC" at 76.824,-40.094 h2
  text "RST" at 80.866,-40.109 h2
  text "10" at 51.836,-44.286 h1
  text "BIGTREETECH Tango v1.0" at 72.572,-44.949 h2.2
  text "1" at 48.116,-46.021 h1
  text "13" at 27.454,-46.109 h1
  text "12V" at 87.419,-48.496 h0.8
  text "12V" at 76.997,-48.538 h0.8
  text "12V" at 97.665,-48.566 h0.8
  text "2" at 47.837,-48.628 h1
  text "14" at 27.454,-48.68 h1
  text "13" at 28.044,-50.77 h1
  text "PC7" at 29.661,-50.77 h1
  text "PJ1" at 32.345,-50.77 h1
  text "SCL" at 34.93,-50.77 h1
  text "A9" at 37.502,-50.77 h1
  text "PWM1" at 39.765,-50.77 h1
  text "GND" at 42.632,-50.77 h1
  text "12V" at 45.17,-50.77 h1
  text "1" at 47.722,-50.77 h1
  text "14" at 28.044,-52.152 h1
  text "PC6" at 29.661,-52.152 h1
  text "PJ0" at 32.345,-52.152 h1
  text "SDA" at 34.93,-52.152 h1
  text "A10" at 37.502,-52.152 h1
  text "PWM2" at 39.765,-52.152 h1
  text "GND" at 42.632,-52.152 h1
  text "5V" at 45.17,-52.152 h1
  text "2" at 47.722,-52.152 h1
  text "67.512 (mm)" at -5.036,-53.167 h3 r90
  text "75 (mm)" at 166.709,-53.404 h5 r90
  text "PWR" at 87.406,-57.746 h0.8
  text "PWR" at 97.593,-57.814 h0.8
  text "PWR" at 77.133,-57.849 h0.8
  text "-" at 52.698,-66.055 h1
  text "-" at 62.737,-66.055 h1
  text "-" at 72.817,-66.055 h1
  text "-" at 82.476,-66.055 h1
  text "-" at 92.676,-66.055 h1
  text "+" at 58.294,-66.066 h1
  text "+" at 68.18,-66.066 h1
  text "+" at 78.346,-66.066 h1
  text "+" at 88.377,-66.066 h1
  text "+" at 98.477,-66.066 h1
  text "35.509 (mm)" at 155.383,-66.431 h2.5 r90
  text "+" at 14.461,-68.798 h2
  text "+" at 22.765,-68.837 h2
  text "Stand" at 29.664,-68.963 h1
  text "USB" at 25.756,-69.023 h1
  text "-" at 11.392,-69.061 h2
  text "-" at 19.522,-69.066 h2
  text "-" at 45.782,-70.033 h1
  text "Power" at 24.326,-70.245 h1
  text "alone" at 29.571,-70.238 h1
  text "+" at 45.793,-72.658 h1
  text "142.543 (mm)" at 58.553,-79.868 h3
  text "16.581 (mm)" at -3.691,-85.788 h1.52
Bottom Overlay:
  rectangle: 17.803,-43.404 18.941,-19.505
  rectangle: 15.193,-43.344 16.33,-19.445
  rectangle: 7.664,-43.674 8.632,-13.073
  rectangle: 5.157,-43.738 6.125,-13.137
  rectangle: 2.622,-43.651 3.59,-13.051
  rectangle: 66.116,-24.714 66.552,-24.07
  rectangle: 66.103,-27.208 66.539,-26.564
  rectangle: 66.124,-29.756 66.56,-29.111
  rectangle: 81.493,-29.767 81.928,-29.123
  rectangle: 81.472,-27.219 81.907,-26.575
  rectangle: 81.484,-24.726 81.92,-24.082
  rectangle: 96.719,-29.687 97.154,-29.043
  rectangle: 96.698,-27.14 97.133,-26.496
  rectangle: 96.711,-24.646 97.146,-24.002
  rectangle: 112.018,-29.713 112.453,-29.069
  rectangle: 111.996,-27.165 112.432,-26.521
  rectangle: 112.009,-24.672 112.445,-24.027
  rectangle: 127.337,-29.75 127.773,-29.106
  rectangle: 127.316,-27.203 127.752,-26.558
  rectangle: 127.329,-24.709 127.765,-24.065
  rectangle: 142.544,-29.773 142.979,-29.128
  rectangle: 142.523,-27.225 142.958,-26.581
  rectangle: 142.536,-24.731 142.971,-24.087
  rectangle: 60.23,-13.813 60.734,-13.206
  rectangle: 70.903,-13.813 71.407,-13.206
  rectangle: 60.153,-31.616 60.657,-31.009
  rectangle: 70.787,-31.616 71.291,-31.009
  rectangle: 75.41,-31.616 75.914,-31.009
  rectangle: 75.456,-13.813 75.96,-13.206
  rectangle: 86.043,-13.813 86.547,-13.206
  rectangle: 85.952,-31.616 86.456,-31.009
  rectangle: 90.759,-31.616 91.263,-31.009
  rectangle: 90.724,-13.813 91.228,-13.206
  rectangle: 101.298,-13.813 101.802,-13.206
  rectangle: 101.27,-31.616 101.774,-31.009
  rectangle: 106.021,-31.616 106.526,-31.009
  rectangle: 116.58,-31.616 117.084,-31.009
  rectangle: 116.597,-13.813 117.101,-13.206
  rectangle: 106.015,-13.813 106.519,-13.206
  rectangle: 121.255,-13.813 121.759,-13.206
  rectangle: 131.873,-13.813 132.378,-13.206
  rectangle: 136.529,-13.813 137.033,-13.206
  rectangle: 147.119,-13.813 147.623,-13.206
  rectangle: 147.073,-31.616 147.577,-31.009
  rectangle: 136.535,-31.616 137.039,-31.009
  rectangle: 131.815,-31.616 132.319,-31.009
  rectangle: 121.231,-31.616 121.735,-31.009
  lines w0.508: 23.746,-70.528 34.942,-70.528 ; 29.134,-70.488 29.134,-67.267 29.141,-67.26 ; 29.153,-73.369 29.153,-73.895 29.168,-73.91 ; 55.867,-72.863 55.878,-72.851 55.878,-66.89 ; 61.01,-66.857 61.068,-66.916 61.068,-74.441 ; 65.981,-73.018 65.981,-66.848 65.993,-66.836 ; 70.998,-66.852 71.051,-66.905 71.051,-74.432 ; 75.933,-72.934 75.933,-66.939 ; 81.013,-66.922 81.061,-66.971 81.061,-74.418 ; 86.089,-72.95 86.089,-66.939 86.105,-66.923 ; 91.128,-66.925 91.157,-66.955 91.157,-74.454 ; 96.086,-72.964 96.164,-72.886 96.164,-66.936 ; 116.444,-65.509 136.525,-65.509 136.527,-65.51 ; 126.367,-74.532 116.392,-74.532 116.392,-61.408 116.464,-61.335 136.521,-61.335 136.521,-74.533 126.367,-74.533 126.367,-61.433 126.38,-61.419 ; 35.05,-67.261 35.05,-74.011 35.066,-74.027 23.704,-74.027 23.688,-74.043 23.688,-67.296 23.722,-67.261 35.049,-67.261 ; 35.049,-67.261 35.05,-67.261 ; 50.598,-74.461 50.598,-67.152 50.61,-67.141 50.61,-66.825 50.62,-66.835 100.855,-66.835 100.901,-66.88 100.901,-71.704 100.901,-74.461 55.638,-74.461 50.598,-74.461
  text "1B" at 63.247,-4.973 h1.6 r90
  text "1A" at 65.818,-4.973 h1.6 r90
  text "2A" at 68.389,-4.973 h1.6 r90
  text "2B" at 70.863,-4.973 h1.6 r90
  text "1B" at 78.456,-4.973 h1.6 r90
  text "1A" at 81.027,-4.973 h1.6 r90
  text "2A" at 83.599,-4.973 h1.6 r90
  text "2B" at 86.072,-4.973 h1.6 r90
  text "1B" at 93.36,-4.973 h1.6 r90
  text "1A" at 95.931,-4.973 h1.6 r90
  text "2A" at 98.503,-4.973 h1.6 r90
  text "2B" at 100.976,-4.973 h1.6 r90
  text "1B" at 108.351,-4.973 h1.6 r90
  text "1A" at 110.923,-4.973 h1.6 r90
  text "2A" at 113.494,-4.973 h1.6 r90
  text "2B" at 115.968,-4.973 h1.6 r90
  text "1B" at 123.463,-4.973 h1.6 r90
  text "1A" at 126.035,-4.973 h1.6 r90
  text "2A" at 128.606,-4.973 h1.6 r90
  text "2B" at 131.08,-4.973 h1.6 r90
  text "1B" at 138.442,-4.973 h1.6 r90
  text "1A" at 141.014,-4.973 h1.6 r90
  text "2A" at 143.585,-4.973 h1.6 r90
  text "2B" at 146.059,-4.973 h1.6 r90
  text "+" at 4.149,-10.896 h2
  text "-" at 6.576,-10.896 h2
  text "S" at 9.125,-10.896 h2
  text "EXP1" at 26.476,-11.937 h2
  text "EXP2" at 49.769,-11.937 h2
  text "X-" at 12.356,-13.844 h2
  text "EN" at 63.271,-14.605 h1.4
  text "VMOT" at 71.035,-14.605 h1.4
  text "EN" at 78.366,-14.605 h1.4
  text "VMOT" at 86.202,-14.605 h1.4
  text "EN" at 93.829,-14.605 h1.4
  text "VMOT" at 101.5,-14.605 h1.4
  text "EN" at 109.131,-14.605 h1.4
  text "VMOT" at 116.89,-14.605 h1.4
  text "EN" at 124.271,-14.605 h1.4
  text "VMOT" at 132.05,-14.605 h1.4
  text "EN" at 139.534,-14.605 h1.4
  text "VMOT" at 147.208,-14.605 h1.4
  text "THB" at 24.432,-20.212 h2
  text "X+" at 12.356,-20.394 h2
  text "X" at 68.478,-22.182 h4
  text "Y" at 83.826,-22.182 h4
  text "Z" at 99.447,-22.182 h4
  text "E0" at 114.585,-22.182 h4
  text "E1" at 129.606,-22.182 h4
  text "E2" at 144.627,-22.182 h4
  text "MISO" at 50.967,-23.467 h1.2
  text "5V" at 58.298,-23.467 h1.2
  text "MS1" at 70.637,-25.316 h1.8
  text "MS1" at 86.08,-25.316 h1.8
  text "MS1" at 101.273,-25.316 h1.8
  text "MS1" at 116.62,-25.316 h1.8
  text "MS1" at 131.961,-25.316 h1.8
  text "MS1" at 147.153,-25.316 h1.8
  text "SCK" at 50.967,-25.988 h1.2
  text "MOSI" at 58.298,-25.988 h1.2
  text "Y-" at 12.356,-26.645 h2
  text "T3" at 23.446,-26.699 h2
  text "MS2" at 70.637,-27.862 h1.8
  text "MS2" at 86.08,-27.862 h1.8
  text "MS2" at 101.273,-27.862 h1.8
  text "MS2" at 116.62,-27.862 h1.8
  text "MS2" at 131.961,-27.862 h1.8
  text "MS2" at 147.153,-27.862 h1.8
  text "RST" at 50.967,-28.537 h1.2
  text "GND" at 58.298,-28.537 h1.2
  text "MS3" at 70.637,-30.393 h1.8
  text "MS3" at 86.08,-30.393 h1.8
  text "MS3" at 101.273,-30.393 h1.8
  text "MS3" at 116.62,-30.393 h1.8
  text "MS3" at 131.961,-30.393 h1.8
  text "MS3" at 147.153,-30.393 h1.8
  text "DIR" at 63.377,-32.518 h1.4
  text "GND" at 71.01,-32.518 h1.4
  text "DIR" at 78.472,-32.518 h1.4
  text "GND" at 86.177,-32.518 h1.4
  text "DIR" at 93.935,-32.518 h1.4
  text "GND" at 101.475,-32.518 h1.4
  text "DIR" at 109.237,-32.518 h1.4
  text "GND" at 116.864,-32.518 h1.4
  text "DIR" at 124.377,-32.518 h1.4
  text "GND" at 132.025,-32.518 h1.4
  text "DIR" at 139.641,-32.518 h1.4
  text "GND" at 147.182,-32.518 h1.4
  text "Y+" at 12.356,-33.163 h2
  text "T2" at 23.446,-33.215 h2
  text "T1" at 23.446,-39.637 h2
  text "Z-" at 12.356,-39.678 h2
  text "9" at 56.869,-40.764 h2
  text "1" at 71.134,-40.764 h2
  text "10" at 56.869,-43.642 h2
  text "2" at 71.134,-43.642 h2
  text "T0" at 23.446,-45.69 h2
  text "Z+" at 12.356,-46.048 h2
  text "13" at 29.79,-46.581 h2
  text "1" at 49.214,-46.581 h2
  text "-" at 16.803,-48.204 h2
  text "+" at 19.434,-48.204 h2
  text "14" at 29.79,-49.459 h2
  text "2" at 49.214,-49.459 h2
  text "D-" at 12.023,-49.638 h2 r90
  text "GND" at 20.889,-54.688 h2
  text "D+" at 7.638,-56.765 h2
  text "D+" at 20.889,-57.326 h2
  text "5V" at 12.023,-59.313 h2 r90
  text "GND" at 7.638,-59.466 h2
  text "D-" at 20.889,-59.935 h2
  text "5V" at 20.889,-62.544 h2
  text "MAIN  PWR" at 125.227,-65.065 h1.6
  text "HB  OUT" at 135.428,-65.065 h1.6
  text "USB" at 27.787,-68.822 h1
  text "Stand" at 34.285,-68.822 h1
  text "-" at 11.148,-69.963 h2
  text "+" at 13.99,-69.963 h2
  text "-" at 19.385,-69.963 h2
  text "+" at 22.226,-69.963 h2
  text "Power" at 28.606,-70.118 h1
  text "alone" at 34.316,-70.118 h1
  text "-" at 47.154,-70.734 h2
  text "+" at 47.154,-73.509 h2
  text "-" at 53.687,-74.593 h2
  text "+" at 59.234,-74.593 h2
  text "-" at 64.19,-74.593 h2
  text "+" at 69.737,-74.593 h2
  text "-" at 73.935,-74.593 h2
  text "+" at 79.482,-74.593 h2
  text "-" at 84.328,-74.593 h2
  text "+" at 89.875,-74.593 h2
  text "-" at 94.522,-74.593 h2
  text "+" at 100.069,-74.593 h2
  text "FAN1" at 97.985,-74.672 h1.2
  text "HE0" at 57.149,-74.693 h1.2
  text "HE1" at 67.652,-74.697 h1.2
  text "HE2" at 77.397,-74.687 h1.2
  text "FAN0" at 87.787,-74.708 h1.2
  text "+" at 122.819,-74.938 h4
  text "+" at 132.575,-74.938 h4
  text "-" at 127.523,-75.313 h4
  text "-" at 117.382,-75.356 h4
Bottom Solder:
  rectangle: 137.626,-67.495 149.113,-50.996
  rectangle: 102.743,-57.46 111.523,-51.206
  rectangle: 101.495,-74.423 103.379,-62.389
  rectangle: 102.723,-74.429 112.962,-56.612
  rectangle: 68.542,-66.059 74.465,-55.475
  rectangle: 26.123,-60.571 30.611,-55.896
  rectangle: 90.737,-66.335 96.754,-55.422
  rectangle: 84.728,-66.047 86.515,-62.559
  rectangle: 80.218,-66.047 85.035,-55.507
  rectangle: 59.341,-66.029 67.443,-55.48
  rectangle: 49.872,-66.059 58.189,-55.508

## Text inside footprints (layer, text, board x,y; h text height)
C1: Top Overlay "+" at 68.558,-14.8 h2
C5: Top Overlay "+" at 120.07,-37.285 h2
C6: Top Overlay "+" at 118.09,-46.98 h2
C9: Top Overlay "+" at 83.793,-14.8 h2
C13: Top Overlay "+" at 99.099,-14.8 h2
C19: Top Overlay "+" at 114.215,-14.8 h2
C24: Top Overlay "+" at 122.505,-53.559 h2 r180
C25: Top Overlay "+" at 127.364,-37.285 h2
C27: Top Overlay "+" at 129.381,-14.8 h2
C32: Top Overlay "+" at 144.804,-14.8 h2
J2: Top Overlay "10" at 38.916,-7.807 h1; Top Overlay "9" at 39.628,-5.361 h1; Top Overlay "1" at 53.608,-5.361 h1; Top Overlay "2" at 53.486,-7.807 h1; Bottom Overlay "10" at 40.547,-7.807 h1; Bottom Overlay "9" at 40.443,-5.259 h1; Bottom Overlay "1" at 53.989,-5.259 h1; Bottom Overlay "2" at 54.022,-7.807 h1
J6: Top Overlay "10" at 15.565,-7.807 h1; Top Overlay "9" at 16.277,-5.361 h1; Top Overlay "1" at 30.257,-5.361 h1; Top Overlay "2" at 30.135,-7.807 h1; Bottom Overlay "10" at 17.196,-7.807 h1; Bottom Overlay "9" at 17.092,-5.259 h1; Bottom Overlay "1" at 30.638,-5.259 h1; Bottom Overlay "2" at 30.671,-7.807 h1
J39: Top Overlay "+5V" at 11.081,-61.029 h1.2 r90; Top Overlay "GND" at 9.019,-61.037 h1 r90; Top Overlay "D-" at 11.234,-54.397 h1.5 r90; Top Overlay "D+" at 9.174,-54.407 h1.5 r90
U1: Top Overlay "16" at 69.109,-13.485 h0.8; Top Overlay "9" at 69.61,-32.022 h0.8; Top Overlay "8" at 61.151,-32.031 h0.8; Top Overlay "1" at 61.132,-13.264 h0.8 r270; Mechanical 15 "DIR" at 60.644,-31.605 h0.8; Mechanical 15 "STEP" at 60.644,-29.065 h0.8; Mechanical 15 "SLP" at 60.644,-26.525 h0.8; Mechanical 15 "RST" at 60.644,-23.985 h0.8; Mechanical 15 "MS3" at 60.644,-21.445 h0.8; Mechanical 15 "MS2" at 60.644,-18.905 h0.8; Mechanical 15 "MS1" at 60.644,-16.365 h0.8; Mechanical 15 "EN" at 60.644,-13.825 h0.8; Mechanical 15 "GND" at 68.679,-31.71 h0.8; Mechanical 15 "VDD" at 68.679,-29.142 h0.8; Mechanical 15 "1B" at 68.679,-26.575 h0.8; Mechanical 15 "1A" at 68.679,-24.007 h0.8; Mechanical 15 "2A" at 68.679,-21.439 h0.8; Mechanical 15 "2B" at 68.679,-18.871 h0.8; Mechanical 15 "GND" at 68.679,-16.303 h0.8; Mechanical 15 "Vmot" at 68.679,-13.735 h0.8
U2: Top Overlay "1" at 112.102,-57.296 h0.8; Top Overlay "5" at 102.665,-57.337 h0.8
U3: Top Overlay "16" at 84.366,-13.567 h0.8; Top Overlay "9" at 84.926,-32.112 h0.8; Top Overlay "8" at 76.411,-32.123 h0.8; Top Overlay "1" at 76.404,-13.264 h0.8 r270; Mechanical 15 "DIR" at 75.916,-31.605 h0.8; Mechanical 15 "STEP" at 75.916,-29.065 h0.8; Mechanical 15 "SLP" at 75.916,-26.525 h0.8; Mechanical 15 "RST" at 75.916,-23.985 h0.8; Mechanical 15 "MS3" at 75.916,-21.445 h0.8; Mechanical 15 "MS2" at 75.916,-18.905 h0.8; Mechanical 15 "MS1" at 75.916,-16.365 h0.8; Mechanical 15 "EN" at 75.916,-13.825 h0.8; Mechanical 15 "GND" at 83.951,-31.71 h0.8; Mechanical 15 "VDD" at 83.951,-29.142 h0.8; Mechanical 15 "1B" at 83.951,-26.575 h0.8; Mechanical 15 "1A" at 83.951,-24.007 h0.8; Mechanical 15 "2A" at 83.951,-21.439 h0.8; Mechanical 15 "2B" at 83.951,-18.871 h0.8; Mechanical 15 "GND" at 83.951,-16.303 h0.8; Mechanical 15 "Vmot" at 83.951,-13.735 h0.8
U4: Top Overlay "100" at 44.054,-37.877 h0.8; Top Overlay "76" at 29.661,-38.012 h0.8; Top Overlay "75" at 29.17,-36.727 h0.8; Top Overlay "51" at 29.424,-23.012 h0.8; Top Overlay "50" at 29.681,-21.728 h0.8; Top Overlay "26" at 44.042,-21.726 h0.8; Top Overlay "25" at 44.447,-23.012 h0.8; Top Overlay "1" at 44.84,-36.77 h1.5
U5: Top Overlay "16" at 99.584,-13.473 h0.8; Top Overlay "9" at 100.244,-32.074 h0.8; Top Overlay "8" at 91.599,-32.04 h0.8; Top Overlay "1" at 91.675,-13.264 h0.8 r270; Mechanical 15 "DIR" at 91.187,-31.605 h0.8; Mechanical 15 "STEP" at 91.187,-29.065 h0.8; Mechanical 15 "SLP" at 91.187,-26.525 h0.8; Mechanical 15 "RST" at 91.187,-23.985 h0.8; Mechanical 15 "MS3" at 91.187,-21.445 h0.8; Mechanical 15 "MS2" at 91.187,-18.905 h0.8; Mechanical 15 "MS1" at 91.187,-16.365 h0.8; Mechanical 15 "EN" at 91.187,-13.825 h0.8; Mechanical 15 "GND" at 99.222,-31.71 h0.8; Mechanical 15 "VDD" at 99.222,-29.142 h0.8; Mechanical 15 "1B" at 99.222,-26.575 h0.8; Mechanical 15 "1A" at 99.222,-24.007 h0.8; Mechanical 15 "2A" at 99.222,-21.439 h0.8; Mechanical 15 "2B" at 99.222,-18.871 h0.8; Mechanical 15 "GND" at 99.222,-16.303 h0.8; Mechanical 15 "Vmot" at 99.222,-13.735 h0.8
U6: Top Overlay "16" at 114.989,-13.423 h0.8; Top Overlay "9" at 115.554,-32.068 h0.8; Top Overlay "8" at 106.861,-32.056 h0.8; Top Overlay "1" at 106.947,-13.264 h0.8 r270; Mechanical 15 "DIR" at 106.459,-31.605 h0.8; Mechanical 15 "STEP" at 106.459,-29.065 h0.8; Mechanical 15 "SLP" at 106.459,-26.525 h0.8; Mechanical 15 "RST" at 106.459,-23.985 h0.8; Mechanical 15 "MS3" at 106.459,-21.445 h0.8; Mechanical 15 "MS2" at 106.459,-18.905 h0.8; Mechanical 15 "MS1" at 106.459,-16.365 h0.8; Mechanical 15 "EN" at 106.459,-13.825 h0.8; Mechanical 15 "GND" at 114.494,-31.71 h0.8; Mechanical 15 "VDD" at 114.494,-29.142 h0.8; Mechanical 15 "1B" at 114.494,-26.575 h0.8; Mechanical 15 "1A" at 114.494,-24.007 h0.8; Mechanical 15 "2A" at 114.494,-21.439 h0.8; Mechanical 15 "2B" at 114.494,-18.871 h0.8; Mechanical 15 "GND" at 114.494,-16.303 h0.8; Mechanical 15 "Vmot" at 114.494,-13.735 h0.8
U7: Top Overlay "1" at 24.738,-56.131 h0.8 r270
U9: Top Overlay "16" at 130.086,-13.519 h0.8; Top Overlay "9" at 130.863,-32.169 h0.8; Top Overlay "8" at 122.12,-32.194 h0.8; Top Overlay "1" at 122.218,-13.264 h0.8 r270; Mechanical 15 "DIR" at 121.73,-31.605 h0.8; Mechanical 15 "STEP" at 121.73,-29.065 h0.8; Mechanical 15 "SLP" at 121.73,-26.525 h0.8; Mechanical 15 "RST" at 121.73,-23.985 h0.8; Mechanical 15 "MS3" at 121.73,-21.445 h0.8; Mechanical 15 "MS2" at 121.73,-18.905 h0.8; Mechanical 15 "MS1" at 121.73,-16.365 h0.8; Mechanical 15 "EN" at 121.73,-13.825 h0.8; Mechanical 15 "GND" at 129.765,-31.71 h0.8; Mechanical 15 "VDD" at 129.765,-29.142 h0.8; Mechanical 15 "1B" at 129.765,-26.575 h0.8; Mechanical 15 "1A" at 129.765,-24.007 h0.8; Mechanical 15 "2A" at 129.765,-21.439 h0.8; Mechanical 15 "2B" at 129.765,-18.871 h0.8; Mechanical 15 "GND" at 129.765,-16.303 h0.8; Mechanical 15 "Vmot" at 129.765,-13.735 h0.8
U10: Top Overlay "16" at 145.281,-13.535 h0.8; Top Overlay "9" at 146.172,-32.043 h0.8; Top Overlay "8" at 137.467,-32.056 h0.8; Top Overlay "1" at 137.49,-13.264 h0.8 r270; Mechanical 15 "DIR" at 137.002,-31.605 h0.8; Mechanical 15 "STEP" at 137.002,-29.065 h0.8; Mechanical 15 "SLP" at 137.002,-26.525 h0.8; Mechanical 15 "RST" at 137.002,-23.985 h0.8; Mechanical 15 "MS3" at 137.002,-21.445 h0.8; Mechanical 15 "MS2" at 137.002,-18.905 h0.8; Mechanical 15 "MS1" at 137.002,-16.365 h0.8; Mechanical 15 "EN" at 137.002,-13.825 h0.8; Mechanical 15 "GND" at 145.037,-31.71 h0.8; Mechanical 15 "VDD" at 145.037,-29.142 h0.8; Mechanical 15 "1B" at 145.037,-26.575 h0.8; Mechanical 15 "1A" at 145.037,-24.007 h0.8; Mechanical 15 "2A" at 145.037,-21.439 h0.8; Mechanical 15 "2B" at 145.037,-18.871 h0.8; Mechanical 15 "GND" at 145.037,-16.303 h0.8; Mechanical 15 "Vmot" at 145.037,-13.735 h0.8